# KiCad board smoothiev2-prime.kicad_pcb (continued)
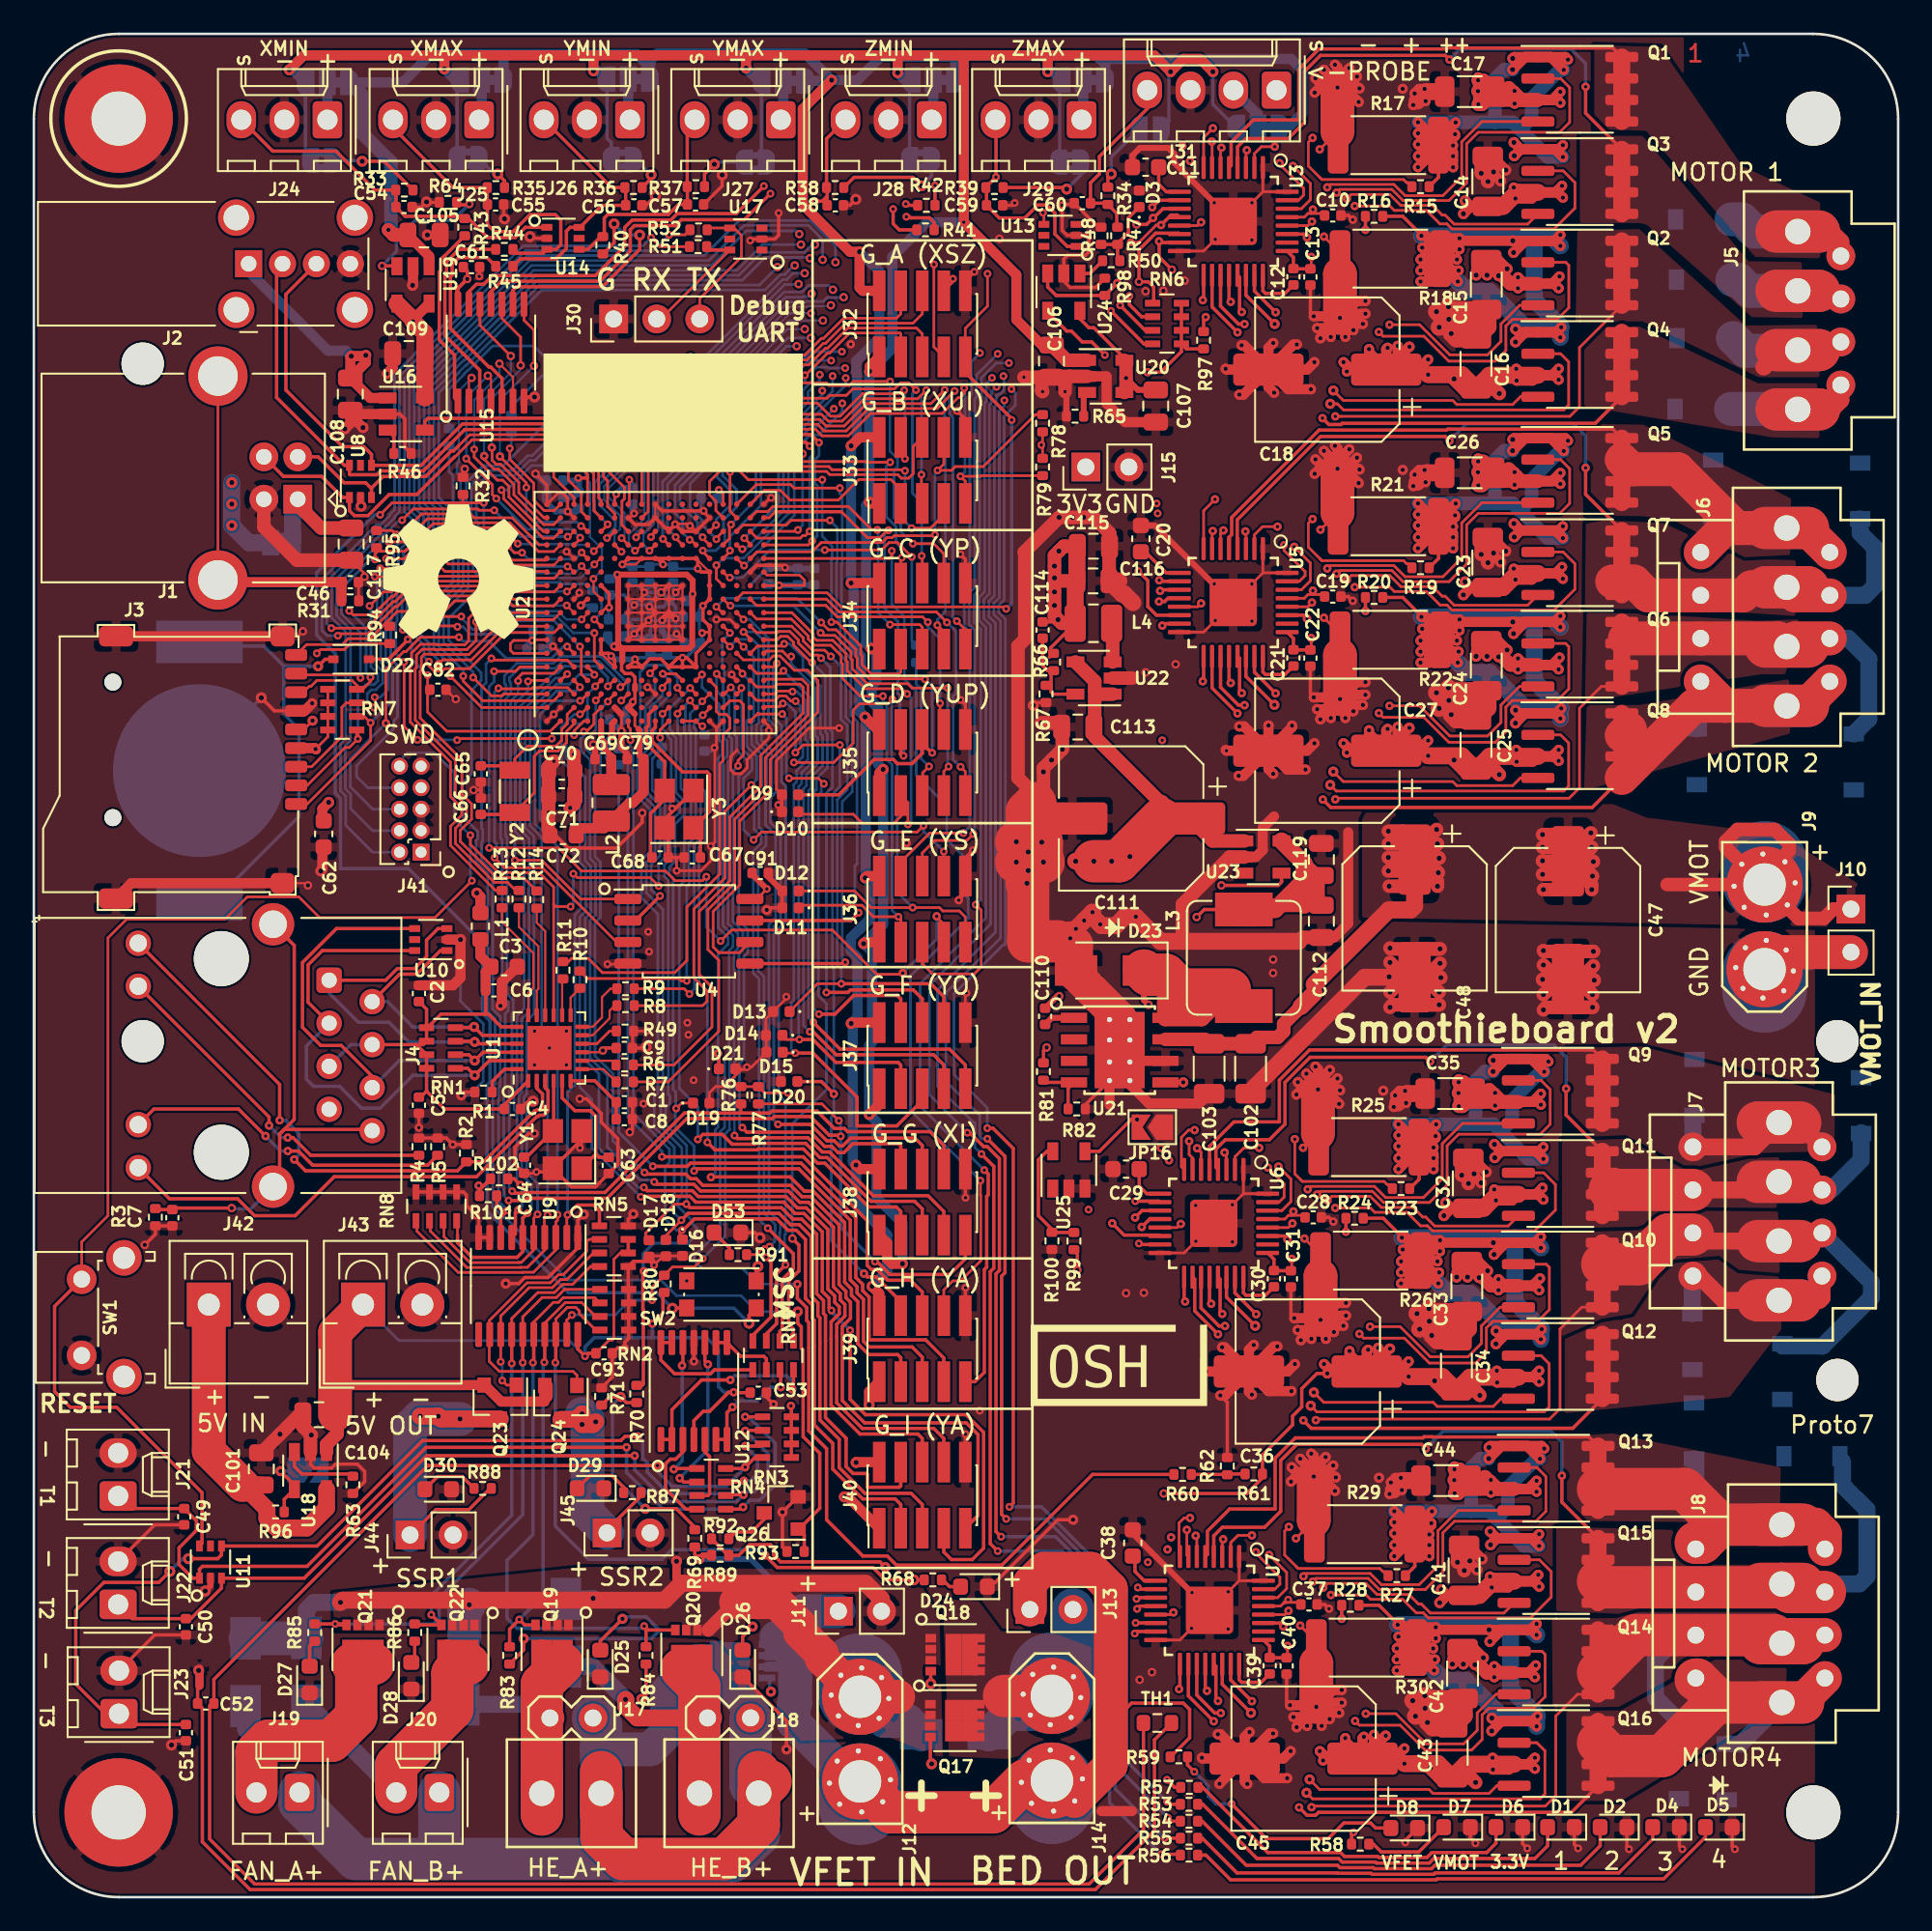
[diagram p0: board, top side]
## Routing (per net, layer and track width the routed paths; a pad name or vN(x,y) marks a point on that pad's centre or on a via; arc(x,y) is an arc through that point) (continued)
/driver-c/COIL_B2: length 46.3
  Top w0.2: v3(70.12,34.43) 69.99,34.56 69.99,36.48 U6.21 ; Q12.5 90.8,27.68 75.37,27.68 v3(74.9,28.15)
  Top w1: Q12.8 Q12.5 ; J7.1 105.51,35.39 105.35,35.23 J7.1 99.72,35.23 98.28,36.67 J7.1
  In1.Cu w0.2: v3(74.9,28.15) 71.42,31.63 70.07,31.63 69.17,32.53 69.17,33.48 v3(70.12,34.43)
  Bottom w1: D36.1 97.86,36.64 J7.1
/driver-d/COIL_A1: length 55.3
  Top w0.2: U7.5 69.24,20.23 69.24,21.61 70.56,22.92 73.24,22.92 73.24,25.92 74.43,27.11 81.96,27.11 82.03,27.18 82.49,27.18 82.51,27.17 91.76,27.17 Q13.8
  Top w1: Q13.8 Q13.5
  Top w2: J8.4 105.68,21.44 105.13,21.99 J8.4
  Top w2.5: 99.5,21.99 97.39,24.09 Q13.6 ; 99.5,21.99 98.43,20.92 98.06,20.92 ; 99.5,21.99 J8.4
  Bottom w1: J8.4 98.06,25.77 D43.1
/driver-d/COIL_A2: length 63.3
  Top w0.2: v3(90.16,24.88) 90.16,23.32 Q15.8 ; U7.4 69.62,21.33 70.13,21.84 72.63,21.84 73.57,22.78 73.57,25.78 74.52,26.73 81.88,26.73 v3(82.13,26.48)
  Top w1: Q15.8 Q15.5
  Top w2.5: Q15.6 92.65,18.29 102.94,18.29 J8.3 103.62,18.01 J8.3
  Bottom w0.2: v3(82.13,26.48) 83.15,27.5 89.52,27.5 90.16,26.86 v3(90.16,24.88)
  Bottom w1: 106.72,25.71 106.72,24.32 108.16,22.88 108.16,18.94 107.71,18.49 J8.3
/driver-d/COIL_B1: length 63.2
  Top w0.16: v3(75.39,5.31) 75.46,5.37 89.18,5.37 89.8,5.99 89.8,10.69 91.08,11.97 Q14.5
  Top w0.2: v3(69.22,12.18) 69.12,12.28 U7.20
  Top w1: Q14.8 Q14.5
  Top w2: J8.2 103.62,15.47 J8.2
  Top w2.5: Q14.6 94.52,15.47 J8.2 102.66,15.47 J8.2
  In1.Cu w0.16: v3(75.39,5.31) 74.91,4.83 74.17,4.83 71.67,7.33 70.57,7.33 68.37,9.53 68.37,11.33 v3(69.22,12.18)
  Bottom w1: J8.2 97.12,15.47 95.68,14.03 95.68,11.77 97.06,10.39 D41.1
/driver-d/COIL_B2: length 56.4
  Top w0.2: v3(69.87,11.58) 69.74,11.71 69.74,13.63 U7.21 ; v3(74.65,5.3) 75.12,4.83 75.62,4.83 75.8,5.01 90.73,5.01 Q16.5
  Top w1: Q16.8 Q16.5
  Top w2: J8.1 104.24,11.49 J8.1
  Top w2.5: 99.5,11.49 98.15,12.84 98.06,12.84 ; 99.5,11.49 J8.1 ; 99.5,11.49 99.25,11.49 96.09,8.33 93.08,8.33 Q16.7
  In1.Cu w0.2: v3(69.87,11.58) 68.92,10.63 68.92,9.68 69.82,8.78 71.17,8.78 v3(74.65,5.3)
  Bottom w1: D40.1 100.69,9.04 J8.1
/ESXMAX: length 16.8
  Top w0.128: U15.4 26.97,89.63 v4(26.79,89.82)
  Top w0.16: v5(27.28,82.57) 27.05,82.8 27.05,83.38 v5(25.51,84.92) ; U2.C14 32.22,80.18 32.22,80.24 v5(32.23,80.25)
  Bottom w0.128: v5(25.51,84.92) 25.51,88.55 v4(26.79,89.82)
  Bottom w0.16: v5(25.51,84.92) 25.51,85 25.6,85.1 ; v5(27.28,82.57) 29.1,80.75 31.73,80.75 v5(32.23,80.25)
/ESXMIN: length 19.6
  Top w0.128: v4(25.83,89.69) 25.67,89.53 U15.2
  Top w0.16: U2.D13 v5(32.32,79.38) ; v5(25.17,80.58) 25.19,80.56 27.39,80.56 28.12,79.84 28.12,79.6 28.35,79.37 v5(28.8,79.37)
  Bottom w0.128: v4(25.83,89.69) 25.07,88.93 25.07,84.73
  Bottom w0.16: v5(25.17,80.58) 25.17,83.89 24.96,84.1 24.96,84.62 25.07,84.73 ; v5(32.32,79.38) 31.93,78.99 29.18,78.99 v5(28.8,79.37)
/ESYMAX: length 18.1
  Top w0.16: v5(32.29,80.94) 32.36,80.94 U2.D15 ; v4(29.51,90.4) 29.51,92.51 28.92,93.1 U15.8 ; v3(27.5,85.05) 29.05,83.5 v5(29.05,83.22)
  Bottom w0.128: v3(27.5,85.05) 27.5,88.39 v4(29.51,90.4)
  Bottom w0.16: v5(29.05,83.22) 29.05,81.68 29.56,81.17 32.06,81.17 v5(32.29,80.94)
/ESYMIN: length 15.1
  Top w0.128: v4(27.47,90.53) 28.27,89.73 U15.6
  Top w0.16: v5(25.98,85.47) 25.98,85.02 27.34,83.65 27.66,83.65 28.03,83.29 28.03,82.66 30.06,80.63 U2.A15
  Bottom w0.128: v5(25.98,85.47) 25.98,88.38 27.47,89.87 v4(27.47,90.53)
/ESZMAX: length 17.2
  Top w0.16: v4(28.14,90.98) 26.32,92.8 U15.12 ; v3(26.57,85.08) 26.57,84.89 27.16,84.3 27.42,84.3 28.32,83.41 28.32,82.8 30.09,81.03 30.67,81.03 U2.B16
  Bottom w0.128: v3(26.57,85.08) 26.57,88.44 28.14,90.01 v4(28.14,90.98)
/ESZMIN: length 15.4
  Top w0.16: v3(27.02,85.58) 27.04,85.56 27.04,84.83 27.28,84.59 27.54,84.59 28.61,83.52 28.61,82.91 30.1,81.43 U2.A16 ; U15.10 27.62,93.2 28.72,92.1 v4(28.72,90.43)
  Bottom w0.128: v3(27.02,85.58) 27.02,88.5 28.72,90.2 v4(28.72,90.43)
/ETH_CRSDV: length 26.6
  Top w0.16: v5(42.33,65.66) 40.77,64.1 40.77,60.16 38.94,58.33 38.94,54.27 39.72,53.49 39.72,52.89 39.46,52.63 R8.2 ; U2.R5 41.81,72.29 v5(41.81,72.23)
  Bottom w0.16: v5(42.33,65.66) 42.66,65.99 42.66,67.33 42.06,67.94 42.06,69.45 42.18,69.58 42.18,71.85 v5(41.81,72.23)
/ETH_MDC: length 24.3
  Top w0.128: v5(38.71,70.65) 38.71,70.59 U2.M2
  Top w0.16: 32.22,54.67 32.67,54.23 38.07,54.23 38.2,54.1 v5(38.52,54.1)
  Bottom w0.16: v5(38.52,54.1) 38.52,59.67 38.66,59.81 38.66,62.24 39.05,62.64 39.05,65 38.47,65.58 38.47,68.69 38.39,68.77 38.39,69.52 38.44,69.57 38.44,70.37 v5(38.71,70.65)
/ETH_MDIO: length 22.2
  Top w0.128: U2.N3 v5(39.44,70.6)
  Top w0.16: R9.2 38.37,53.63 v5(38.68,53.32)
  Bottom w0.16: v5(39.44,70.6) 38.73,69.89 38.73,69.45 38.68,69.4 38.68,68.89 38.76,68.81 38.76,65.7 39.34,65.12 39.34,62.52 38.95,62.12 38.95,59.43 38.96,59.42 38.96,53.6 v5(38.68,53.32)
/ETH_RFCLK: length 26.4
  Top w0.16: R11.2 31.54,55.23 31.73,55.42 32.71,55.42 33.55,54.58 37.81,54.58 38.53,55.3 38.53,58.46 40.47,60.4 40.47,66.91 40.66,67.09 40.66,68.59 41.07,69 41.07,69.61 40.85,69.83 40.44,69.83 40.27,70 40.27,71.43 U2.N4
/ETH_RXD0: length 31.9
  Top w0.16: R6.2 37.77,49.13 40.01,51.37 40.01,53.72 39.26,54.47 39.26,58.19 41.06,59.99 41.06,63.76 42.87,65.57 42.87,67.38 45.39,69.9 45.39,71.42 45.2,71.61 43.86,71.61 43.7,71.45 42.65,71.45 U2.T4
/ETH_RXD1: length 32.2
  Top w0.16: U2.U4 43.14,71.9 45.32,71.9 45.68,71.54 45.68,69.78 43.16,67.26 43.16,65.45 41.35,63.64 41.35,59.87 39.77,58.29 39.77,55.95 40.41,55.31 40.41,51.11 37.43,48.13 R7.2
/ETH_TXD0: length 29.8
  Top w0.128: v5(32.32,75.43) 32.67,75.78 U2.D9
  Top w0.16: R12.2 28.43,59.43 27.95,59.91 27.17,59.91 24.87,62.21 24.87,63.1 25.54,63.76 25.54,64.42 24.87,65.09 24.87,67.12 22.5,69.49 22.5,72.51 22.57,72.59 22.57,73.33 22.92,73.67 23.64,73.67 23.66,73.65 25.55,73.65 26.09,74.19 v5(26.09,75.29)
  Bottom w0.128: v5(26.09,75.29) 27.25,75.29 27.88,75.92 30.93,75.92 31.42,75.43 v5(32.32,75.43)
/ETH_TXD1: length 29.4
  Top w0.128: U2.C9 v5(31.45,76.25)
  Top w0.16: v5(25.92,76.09) 25.92,75.76 25.65,75.49 25.65,74.16 25.43,73.94 23.78,73.94 23.76,73.96 22.8,73.96 22.28,73.45 22.28,72.71 22.21,72.63 22.21,69.37 24.58,67 24.58,64.97 25.25,64.3 25.25,63.88 24.58,63.22 24.58,62.09 27.24,59.43 R13.2
  Bottom w0.128: v5(25.92,76.09) 25.92,76.05 26.34,75.63 26.75,75.63 27.37,76.25 v5(31.45,76.25)
/ETH_TXEN: length 27.5
  Top w0.128: U2.B9 30.71,75.47
  Top w0.16: R14.2 28.88,60.19 28.08,60.19 28.07,60.2 27.29,60.2 25.16,62.33 25.16,62.98 25.83,63.64 25.83,64.54 25.26,65.11 25.26,67.15 22.79,69.61 22.79,72.35 22.86,72.43 22.86,73.21 23.04,73.38 23.46,73.38 23.48,73.36 25.67,73.36 27.73,75.42 30.66,75.42 30.71,75.47
/ethernet/ETH_REFGND: length 29.7
  Top w0.2: v4(11.67,40.68) 8.26,40.68 C7.1 7.23,40.59 R3.1 ; J4.SH 15.36,56.19 15.36,45.91 14.5,45.05 ; 14.5,45.05 14.5,42.34 14.11,41.95 ; 14.5,45.05 14.77,45.32 19.89,45.32 J4.8
  Bottom w0.2: v4(11.67,40.68) 11.72,40.63 12.8,40.63 14.11,41.95
/ethernet/LED1: length 29.8
  Top w0.2: J4.12 8,41.23 12.02,41.23 13.02,40.23 15.42,40.23 17.72,42.53 26.12,42.53 29.69,46.1 29.77,46.1 29.84,46.16 30.07,46.16 30.34,46.43 30.34,47.61 30.17,47.78 U1.3
/ethernet/LED2: length 35.2
  Top w0.2: U1.2 29.67,47.75 30.01,47.41 30.01,46.56 29.94,46.49 29.7,46.49 29.64,46.43 29.55,46.43 26.53,43.41 R2.1 24.99,42.88 16.03,42.88 v3(15.36,43.55) ; v3(14.5,45.86) 14.5,47.97 J4.9
  Bottom w0.2: v3(15.36,43.55) 15.62,43.8 15.62,45.1 14.85,45.86 v3(14.5,45.86)
/ethernet/TXD0: length 6.9
  Top w0.128: R12.1 28.62,57.28 29.77,56.13 29.77,53.63 29.67,53.53 U1.17
/ethernet/TXD1: length 7.2
  Top w0.128: R13.1 27.62,57.58 29.47,55.73 29.47,53.69 29.17,53.39 U1.18
/ethernet/TXEN: length 6.5
  Top w0.128: U1.16 30.17,57.03 29.67,57.53 R14.1
/expansion/GB_4: length 38
  Top w0.16: v5(51.4,84.91) 51.15,85.16 J33.4 ; v5(35.74,90.41) 36.35,89.8 41.04,89.8 42.64,88.2 46.23,88.2 47,87.43 47.57,87.43 48.89,88.75 51.14,88.75 v5(51.35,88.96)
  Bottom w0.16: R74.2 24.5,89 25.37,89.88 25.37,89.91 25.61,90.15 25.64,90.15 27.06,91.57 29.5,91.57 30.43,90.64 35.51,90.64 v5(35.74,90.41) ; v5(51.35,88.96) 51.4,88.91 v5(51.4,84.91)
/expansion/GB_5: length 34.4
  Top w0.16: J33.5 52.37,82.33 v5(52.37,83.98) ; v5(35.3,89.82) 35.63,89.49 40.94,89.49 42.52,87.91 42.65,87.91 43.02,87.54 46.47,87.54 46.87,87.14 47.69,87.14 49.01,88.46 52.15,88.46 v5(52.65,88.96)
  Bottom w0.16: v5(52.65,88.96) 52.37,88.68 v5(52.37,83.98) ; R75.2 28.17,88 29.99,89.82 v5(35.3,89.82)
/expansion/GD_4: length 2.8
  Top w0.2: 51.11,67.49 51.15,67.53 J35.4
  Bottom w0.2: R72.2 51.31,68.49 v5(51.31,67.38)
/expansion/GD_5: length 8.3
  Top w0.16: J35.5 52.45,65.06 52.45,66.38 v5(52.82,66.75)
  Bottom w0.16: v5(52.82,66.75) 52.35,67.22 52.35,71.32 52.07,71.61 52.07,72.91
/EXTRAFET: length 81.1
  Top w0.16: U2.C11 31.52,77.08 v5(31.46,77.08)
  Top w0.2: v1(45.07,34.57) 45.07,33.88 45.28,33.67 45.28,32.41 45.39,32.3 45.39,27.18 46.37,26.2 46.37,22.95 45.14,21.73 Q26.1 45.45,21.37 R93.2
  Bottom w0.16: v5(31.46,77.08) 26.04,77.08 24.47,75.51 24.47,74.21 26.39,72.29 26.39,71.82 25.82,71.25 25.82,66.3 25.29,65.77 25.29,63.8 26.2,62.9 26.2,62.48 26.1,62.38 26.1,61.1 26.78,60.42 26.78,52.31 27.22,51.87 27.22,47.99 27.08,47.85 27.08,40.76 27.74,40.1 27.84,40.1 31.51,36.43 37,36.43 37.93,35.5 41.72,35.5 42.66,34.57 v1(45.07,34.57)
/FANA_FET: length 43.9
  Top w0.16: v5(29.72,40.31) 29.49,40.09 U9.5 29.49,38.2 28.76,37.47 28.6,37.47 28.59,37.46 25.74,37.46 24.2,39 24.2,39.93 ; U2.B4 31.45,72.2 v5(31.47,72.2)
  Bottom w0.16: v5(31.47,72.2) 31.23,71.97 30.78,71.97 28.99,70.18 28.99,63.13 29.51,62.61 29.51,52.15 29.08,51.72 29.08,47.41 28.92,47.25 28.92,46.73 29.08,46.57 29.08,42.76 29.72,42.12 v5(29.72,40.31)
/FANB_FET: length 46.3
  Top w0.16: 25,39.11 25,39.93 ; U2.F4 34.22,71.83 v5(33.87,71.48)
  Top w0.2: v5(29.13,40.38) 28.85,40.09 U9.6 28.85,38.11 28.51,37.77 25.86,37.77 25,38.64 25,39.11
  Bottom w0.16: v5(33.87,71.48) 33.87,72.01 33.21,72.67 31.31,72.67 30.9,72.26 30.66,72.26 28.7,70.3 28.7,63.01 29.22,62.49 29.22,52.27 28.79,51.84 28.79,47.53 28.63,47.37 28.63,46.61 28.79,46.45 28.79,42.64 29.36,42.07 29.36,40.61 v5(29.13,40.38)
/FETSENSE: length 47.2
  Top w0.16: U2.K4 37.09,71.45 v5(37.09,71.39)
  Top w0.2: v3(35.99,36.95) 35.93,36.89 35.93,34.71 35.96,34.68 35.96,30.28 35.89,30.22 R70.1
  Bottom w0.16: 39.1,39.5 38.87,39.73 38.87,39.92 37.99,40.8 37.99,41.15 38.23,41.39 38.23,44.24 36.99,45.48 36.99,47 37.12,47.13 37.12,58.31 36.14,59.29 36.14,61.09 36.65,61.6 36.65,64.35 35.92,65.08 35.92,67.46 36.22,67.76 36.22,68.79 36.36,68.93 36.36,70.22 37.09,70.94 v5(37.09,71.39)
  Bottom w0.2: 39.1,39.5 39.1,39.13 38.57,38.61 36.57,38.61 35.95,37.98 35.95,37 v3(35.99,36.95)
/HOTEND_A_FET: length 46.5
  Top w0.16: v5(32.22,71.43) 32.22,71.48 U2.C4 ; v5(30.9,40.29) 30.9,39.96 30.8,39.86 U9.3 30.8,38.2 29.48,36.89 28.84,36.89 28.83,36.88 25.03,36.88 22.59,39.32 22.59,39.93
  Bottom w0.16: v5(30.9,40.29) 30.9,62.04 29.57,63.37 29.57,69.94 30.83,71.2 31.99,71.2 v5(32.22,71.43)
/HOTEND_B_FET: length 46.4
  Top w0.16: 23.39,39.93 23.39,39.32 25.54,37.17 28.71,37.17 28.72,37.18 29.12,37.18 30.14,38.2 U9.4 ; v5(30.31,40.27) 30.12,40.08 30.12,38.94 ; U2.D5 33.07,72.23 v5(33.07,72.17)
  Bottom w0.16: v5(30.31,40.27) 30.31,49.01 29.96,49.36 29.96,50.87 30,50.91 30,51.35 29.96,51.39 29.96,62.57 29.28,63.25 29.28,70.06 30.84,71.62 31.61,71.62 32.16,72.17 v5(33.07,72.17)
/I2C2_SCL: length 85.7
  Top w0.16: v5(47.49,45.84) 46.5,46.83 R77.1 ; U2.G3 34.68,70.64 v5(34.66,70.64)
  Top w0.2: v5(49.63,37.52) 49.75,37.52 50.51,36.76 54.04,36.76 54.96,37.68 J38.9 ; v5(47.61,44.92) 47.54,44.98 46.93,44.98 45.83,46.08 43.69,46.08 43.57,45.96 38.52,45.96 33.82,41.26 29.11,41.26 28.98,41.13 v5(28.01,41.13)
  Bottom w0.16: v5(47.49,45.84) 47.61,45.72 v5(47.61,44.92) ; v5(28.01,41.13) 27.72,41.42 27.72,47.67 27.8,47.75 27.8,49.75 27.81,49.76 27.81,52.16 27.99,52.34 27.99,52.84 27.63,53.2 27.63,62.44 27.54,62.53 27.54,70.87 27.85,71.18 27.85,71.58 27.77,71.66 27.77,72.11 28.5,72.84 30.66,72.84 31.07,73.25 33.46,73.25 35.07,71.64 35.07,71.06 v5(34.66,70.64)
  Bottom w0.2: v5(49.63,37.52) 47.61,39.54 v5(47.61,44.92)
/I2C2_SDA: length 69.5
  Top w0.16: U2.G4 34.82,71.58 34.76,71.58 v5(34.61,71.43) ; R76.1 41.72,46.3 41.73,46.29
  Top w0.2: J38.8 53.69,44.38 52.88,45.19 48.02,45.19 47.83,45.38 47.24,45.38 46.2,46.41 43.55,46.41 43.43,46.29 38.39,46.29 33.7,41.6 28.99,41.6 28.94,41.56 28.34,41.56 v5(28.22,41.68)
  Bottom w0.16: v5(28.22,41.68) 28.05,41.85 28.05,47.61 28.21,47.77 28.21,52.15 28.28,52.22 28.28,52.96 27.92,53.32 27.92,62.56 27.83,62.65 27.83,70.72 28.14,71.04 28.14,71.7 28.06,71.78 28.06,71.99 28.62,72.55 30.78,72.55 31.19,72.96 33.34,72.96 34.61,71.69 v5(34.61,71.43)
/I2C3_SCL: length 41.5
  Top w0.16: v5(54.89,89.09) 54.89,88.77 54.64,88.52 54.54,88.52 53.6,87.59 49.37,87.59 48.05,86.27 46.51,86.27 46.12,86.66 42.67,86.66 42.29,87.04 42.16,87.04 41.5,87.7 36.02,87.7 v5(35.25,86.92) ; U2.E15 33.86,81.02 v5(33.86,81.04) ; R79.1 55.91,83.92 55.87,83.88 v5(54.67,83.88) 54.96,83.59 J33.9
  Bottom w0.16: v5(54.67,83.88) 54.93,84.14 54.93,89.05 v5(54.89,89.09) ; v5(35.25,86.92) 35.25,85.68 33.08,83.52 33.08,81.82 v5(33.86,81.04)
/I2C3_SDA: length 25
  Top w0.16: U2.T13 42.66,79.42 45.91,79.42 46.46,79.97 50.05,79.97 50.34,80.26 50.65,80.26 50.76,80.37 53.11,80.37 v5(53.17,80.43) ; R78.1 59.09,87.53 56.02,84.45 54.37,84.45 54.14,84.23 v5(53.32,84.23) 53.69,84.6 J33.8
  Bottom w0.16: v5(53.32,84.23) 53.17,84.08 v5(53.17,80.43)
/ILED1: length 117.1
  Top w0.16: U2.R13 41.89,78.61 v5(41.9,78.61)
  Top w0.2: v5(56.25,45.4) 56.59,45.4 57.79,44.2 57.79,23.27 v5(57.56,23.04) ; v5(66.87,5.63) 67.02,5.48 R53.1
  In2.Cu w0.16: v5(57.68,89.03) 57.91,88.8 57.91,88.38 57.46,87.92 57.05,87.92 56.79,88.19 v5(47.7,88.19)
  Bottom w0.16: v5(56.25,45.4) 56.25,46.6 54.3,48.56 54.3,53.33 57.19,56.23 57.32,56.23 57.32,75.45 56.93,75.84 56.93,76.27 57.25,76.59 57.25,87.42 57.91,88.07 57.91,88.8 v5(57.68,89.03) ; v5(41.9,78.61) 44.87,81.58 44.87,85.38 45.33,85.84 45.33,85.88 45.56,86.1 45.59,86.1 45.82,86.33 46.31,86.33 47.7,87.72 v5(47.7,88.19)
  Bottom w0.2: v5(57.56,23.04) 59.46,23.04 64.47,18.03 64.47,8.03 v5(66.87,5.63)
/ILED2: length 116.7
  Top w0.16: v5(41.07,79.49) 41.07,79.43 U2.P13
  Top w0.2: v5(56.26,44.77) 57.3,43.73 57.3,36.86 57.1,36.66 57.1,22.6 v5(57.37,22.33) ; v5(66.91,4.69) 67.12,4.48 R54.1
  In2.Cu w0.16: v5(46.52,88.93) 46.83,88.63 47.91,88.63 48.06,88.48 57.15,88.48 v5(57.26,88.36)
  Bottom w0.16: v5(57.26,88.36) 57.26,88.04 56.96,87.74 56.96,76.71 56.64,76.39 56.64,75.72 57.03,75.33 57.03,56.62 53.82,53.41 53.82,48.16 55.81,46.16 55.81,44.89 55.93,44.77 v5(56.26,44.77) ; v5(46.52,88.93) 46.52,88.7 42.9,85.08 42.9,82.16 41.07,80.33 v5(41.07,79.49)
  Bottom w0.2: v5(66.91,4.69) 64.13,7.47 64.13,17.9 59.7,22.33 v5(57.37,22.33)
/ILED3: length 120.6
  Top w0.16: U2.P14 41.04,80.2 41.04,80.94 v5(41.13,81.03)
  Top w0.2: v5(55.08,45.13) 55.22,45.13 56.04,44.31 56.25,44.31 56.97,43.59 56.97,37 56.77,36.8 56.77,21.58 v5(57.07,21.28) ; R55.1 v5(66.72,3.48)
  In2.Cu w0.16: v5(46.37,89.88) 47.34,88.92 49.33,88.92 50.33,89.92 50.76,89.92 51.14,89.53 56.05,89.53 56.41,89.17 v5(56.8,89.17)
  Bottom w0.16: v5(55.08,45.13) 52.85,47.37 52.85,53.83 56.45,57.44 56.45,75.09 56.06,75.48 56.06,76.63 56.38,76.95 56.38,88.09 56.49,88.19 56.49,88.85 v5(56.8,89.17) ; v5(41.13,81.03) 42.61,82.5 42.61,85.2 45.67,88.27 45.67,88.86 46.37,89.56 v5(46.37,89.88)
  Bottom w0.2: v5(57.07,21.28) 60.29,21.28 63.8,17.77 63.8,6.4 v5(66.72,3.48)
/ILED4: length 121.6
  Top w0.16: U2.R14 41.72,79.58 v5(41.8,79.58)
  Top w0.2: v5(66.52,2.53) 67.6,2.53 R56.1 ; v5(55.91,43.87) 56.64,43.14 56.64,37.13 56.43,36.92 56.43,20.87 v5(56.87,20.43)
  In2.Cu w0.16: v5(57.21,89.8) 56.86,90.14 51.66,90.14 51.19,90.61 49.07,90.61 48.14,89.68 v5(47.9,89.68)
  Bottom w0.16: v5(47.9,89.68) 47.9,89.27 44.23,85.59 44.23,81.85 41.96,79.58 v5(41.8,79.58) ; v5(55.91,43.87) 55.52,44.26 55.52,45.73 55.45,45.73 53.32,47.86 53.32,53.56 56.74,56.98 56.74,75.21 56.35,75.6 56.35,76.51 56.67,76.83 56.67,87.97 56.78,88.07 56.78,88.62 56.88,88.73 57.01,88.73 57.24,88.96 57.24,89.76 v5(57.21,89.8)
  Bottom w0.2: v5(56.87,20.43) 60.67,20.43 63.47,17.63 63.47,5.58 v5(66.52,2.53)
/MCU_DEBUG_RX: length 53.9
  Top w0.16: v5(17.94,74.47) 18.05,74.59 19.71,74.59 21.32,76.19 21.44,76.19 22.8,77.55 23.07,77.55 23.07,77.55 23.23,77.55 23.38,77.4 27.92,77.4 28.26,77.06 30.7,77.06 U2.B11 ; v5(36.42,97.97) 36.95,97.44 R51.1
  Bottom w0.16: v5(36.42,97.97) 35.94,97.49 28.88,97.49 24.44,93.05 24.4,93.05 22.47,91.11 22.47,91.08 21.28,89.9 21.28,81.91 20.99,81.62 20.99,81.55 20.47,81.03 20.22,81.03 16.99,77.8 16.99,74.78 17.3,74.47 v5(17.94,74.47)
/MCU_DEBUG_TX: length 51.7
  Top w0.16: R52.1 38.42,98.14 v5(37.49,98.14) ; U2.A11 28.3,77.43 28.04,77.69 23.5,77.69 23.35,77.84 23.19,77.84 23.19,77.84 22.68,77.84 21.32,76.48 21.2,76.48 19.64,74.92 v5(17.55,74.92)
  Bottom w0.16: v5(37.49,98.14) 36.55,97.2 29,97.2 24.56,92.76 24.52,92.76 22.76,90.99 22.76,90.96 21.57,89.78 21.57,81.79 21.28,81.5 21.28,81.43 20.59,80.74 20.34,80.74 17.28,77.68 17.28,75.18 v5(17.55,74.92)
/MCU_RESET: length 111.1
  Top w0.16: U2.K1 36.95,68.91 v5(36.95,68.45) ; 30.67,58.61 30.8,58.48 v5(31.67,58.48) ; 30.67,58.61 30.67,59.63 29.82,60.48 28.2,60.48 28.19,60.49 27.41,60.49 25.76,62.15 v5(25.76,62.69) ; 30.67,58.61 U1.15 ; v5(36.87,59.69) 36.37,60.19 32.06,60.19 v5(31.83,60.42) ; v5(25.84,60) 23.67,57.83 16.86,57.83 15.64,59.05 12.59,59.05 11.27,57.73 5.47,57.73 4.37,56.63 4.37,40.23 2.82,38.68 SW1.2
  Top w0.2: U11.6 9.92,20.88 9.92,23.88 4.88,28.92 2.15,28.92 1.22,29.85 1.22,34.88 SW1.2
  Bottom w0.16: v5(31.67,58.48) 31.83,58.64 v5(31.83,60.42) ; C81.1 37.05,68.36 v5(36.95,68.45) 36.95,67.67 36.5,67.21 36.5,65.34 37.23,64.61 37.23,61.36 36.87,61 v5(36.87,59.69) ; J41.10 21.58,67.09 22.05,67.56 23.64,67.56 24.81,66.38 24.81,63.64 v5(25.76,62.69) 25.76,60.09 v5(25.84,60)
/mosfets/BED_GATE: length 53
  Top w0.16: RN2.8 33.14,33.48 32.19,34.44 32.19,34.6 31.98,34.81 31.47,34.81 30.8,34.13 U9.18
  Top w0.2: 52.61,18.73 v2(51.92,18.73) 50.24,18.73 49.51,19.46 43.86,19.46 v3(43.14,20.18) ; v5(30.77,31.56) 30.8,31.58 U9.18 ; v2(52.97,7.87) 52.89,7.94 Q17.4 ; v2(52.92,12.6) Q18.4
  In2.Cu w0.2: v2(51.92,18.73) 51.92,13.61 v2(52.92,12.6) 52.92,7.92 v2(52.97,7.87)
  Bottom w0.2: v3(43.14,20.18) 42.82,20.5 37.62,20.5 37.07,19.96 32.72,19.96 30.77,21.91 v5(30.77,31.56)
/mosfets/CUTOFF_GATE: length 2.9
  Top w0.2: 41.01,21.16 41.41,21.56 42.35,21.56 43.1,22.31 Q26.3
/mosfets/FAN2_GATE: length 28.4
  Top w0.16: U9.14 28.2,34.16 29.73,35.69 30.71,35.69 31.19,36.17 31.79,36.17 32.85,37.23 RN5.8
  Top w0.2: U9.14 v5(28.2,31.5) ; v5(23.45,16.67) 23.45,16.67 Q22.4 22.53,16.07 R86.2
  Bottom w0.2: v5(28.2,31.5) 28.2,22.56 23.45,17.81 v5(23.45,16.67)
/mosfets/FAN_GATE: length 34
  Top w0.16: 28.87,33.24 U9.15 28.85,34.25 29.99,35.4 30.83,35.4 31.31,35.88 RN2.5
  Top w0.2: U9.15 v5(28.85,31.56) ; v5(17.78,16.13) 17.84,16.07 Q21.4 18.39,16.13 R85.2
  Bottom w0.2: v5(28.85,31.56) 28.85,22.58 23.91,17.64 23.91,16.45 23.59,16.13 v5(17.78,16.13)
/mosfets/HEA_GATE: length 25.2
  Top w0.16: 30.12,33.22 30.12,33.87 31.35,35.1 32.33,35.1 33.14,34.28 RN2.7
  Top w0.2: v5(30.12,31.58) 30.14,31.61 30.14,33.19 30.12,33.22 ; R83.2 28.07,15.82 v5(28.64,16.39) 28.96,16.07 Q19.4
  Bottom w0.2: v5(28.64,16.39) 30.04,17.79 30.04,31.5 v5(30.12,31.58)
/mosfets/HEB_GATE: length 34.4
  Top w0.16: RN2.6 33.09,35.39 31.23,35.39 30.95,35.11 30.65,35.11 29.49,33.95 U9.16
  Top w0.2: Q20.4 36.24,15.77 v5(36.01,16) 36.12,15.89 R84.2 ; U9.16 29.49,31.61 v5(29.45,31.56)
  Bottom w0.2: v5(29.45,31.56) 29.45,21.41 27.92,19.89 27.92,16.45 28.5,15.87 35.88,15.87 v5(36.01,16)
/mosfets/SSR1_G: length 12.2
  Top w0.16: Q23.1 27.9,30.23 v5(27.64,30.5) ; v5(27.55,31.61) 27.55,34.31 29.22,35.98 30.59,35.98 31.07,36.46 31.45,36.46 33.02,38.03 RN5.7
  Bottom w0.16: v5(27.64,30.5) 27.64,31.51 v5(27.55,31.61)
/mosfets/SSR2_G: length 17.3
  Top w0.16: Q24.1 32.05,30.81 31.82,31.04 27.46,31.04 26.87,31.63 26.87,34.04 29.1,36.27 30.47,36.27 30.95,36.75 31.24,36.75 32.63,38.14 32.63,38.7 32.76,38.83 RN5.6
/mosfets/SW_BED: length 13.1
  Top w2.5: J14.2 57.24,11.88
  Bottom w2: J14.2 59,10.81 57.55,10.81 D49.1
  Bottom w2.5: J13.2 61.31,13.12 J14.2
/mosfets/VFET: length 77.7
  Top w0.2: 38.99,20.82 38.99,20.23 v1(39.27,19.95) ; J14.1 62.87,6.88 64.32,8.33 64.32,11 64.77,11.46 67.82,11.46 68.2,11.08 68.2,9.41 67.07,8.28 R59.1
  Top w0.35: R89.2 39.5,20.18 v1(39.27,19.95)
  Top w2: J13.1 58.77,18.56 59.6,19.38 62.39,19.38 63.55,18.23 63.55,7.81 J14.1
  Top w2.5: J14.1 58.47,6.88 56.6,5 50.57,5 J12.1
  Bottom w0.35: 45.37,16.88 42.3,19.95 v1(39.27,19.95)
  Bottom w0.6: Q25.2 44.89,14.26 45.11,14.04 44.68,13.6 Q25.3 ; Q25.1 43.41,14.92 43.82,15.33
  Bottom w2: 44.92,14.23 44.92,12.82 44.92,11.44 44.82,11.34 44.82,10.33 48.07,7.08 J12.1 ; 44.82,14.53 44.62,14.53 43.82,15.33 ; 44.82,14.43 44.82,16.33 45.37,16.88 J11.1
/MOT_EN: length 159
  Top w0.16: U2.D16 32.3,81.8 32.3,82.9 31.53,83.67 v5(31.53,84.5)
  Top w0.2: v4(67.14,96.08) 66.39,96.83 v3(66.39,97.75) 66.47,97.68 U3.15 ; U5.15 66.7,75.18 v3(66.58,75.06) ; U7.15 65.08,15.68 v5(64.96,15.56) ; v5(65.2,38.59) 65.26,38.53 U6.15
  In2.Cu w0.2: 67.74,38.06 66.84,38.06 66.31,38.59 v5(65.2,38.59) ; 67.74,38.06 69.19,38.06 72.73,34.52 72.73,30.14 72.76,30.11 72.76,23.22 71.36,21.82 71.36,19.83 67.09,15.56 v5(64.96,15.56) ; 67.74,38.06 67.74,38.82 71.29,42.37 71.29,42.7 71.82,43.23 71.82,44.65 73.31,46.14 73.31,49.25 74.13,50.07 74.13,66.61 73.04,67.69 73.04,68.19 72.32,68.91 72.32,69.42 72.6,69.7 72.6,71.53 69.07,75.06 v3(66.58,75.06) 66.58,75.42 70.19,79.03 71.23,79.03 72.53,80.33 72.53,81.45 72.65,81.57 72.65,89.37 72.6,89.42 72.6,94.03 70.03,96.6 69.23,96.6 68.08,97.75 v3(66.39,97.75) ; v4(45.48,95.87) 45.64,96.03 47.65,96.03 47.76,95.92 48.42,95.92 48.5,95.85 52.5,95.85 52.91,95.44 53.68,95.44 54.07,95.05 62.53,95.05 63.74,96.26 66.96,96.26 v4(67.14,96.08)
  Bottom w0.16: v5(31.53,84.5) 31.53,85.06 35.17,88.7 35.85,88.7 36.97,89.82 38.47,89.82 43.25,94.59 43.27,94.59 44.18,95.5 44.42,95.5 44.79,95.87 v4(45.48,95.87)
/MOTSPI_CIPO: length 196.5
  Top w0.16: v5(24.97,68.31) 25.06,68.4 v5(30.56,68.4) ; U2.D1 32.45,69.43 31.88,68.86 v5(31.88,68.6) ; J32.8 54.23,95.37 v5(54.23,95.54) ; v5(21.84,72.92) 21.84,69.11 v5(22.64,68.32)
  Top w0.2: U7.10 65.24,18.18 v5(65.14,18.28) ; v5(64.99,41.09) 66.38,41.09 U6.10 ; v3(65.99,99.76) 66.41,100.18 U3.10 ; U5.10 66.46,77.68 v3(66.4,77.74)
  In2.Cu w0.16: 54.21,95.38 54.21,95.52 v5(54.23,95.54) ; v5(31.88,68.6) 31.67,68.4 v5(30.56,68.4)
  In2.Cu w0.2: 71.62,82.83 71.61,82.82 ; 71.62,82.83 71.62,82.81 70.67,81.85 70.67,80.48 70.25,80.06 68.84,80.06 66.52,77.74 v3(66.4,77.74) 64.99,76.33 64.99,75.04 66.36,73.67 68.26,73.67 70.13,71.8 70.13,69.66 70.23,69.56 70.23,69.12 72.04,67.31 72.04,64.79 72.53,64.3 72.53,55.94 72.18,55.59 72.18,46.7 70.74,45.26 70.74,43.57 69.46,42.29 68.32,42.29 67.12,41.09 v5(64.99,41.09) 64.44,40.54 64.44,39.41 64,38.97 64,38.1 64.69,37.41 66.09,37.41 67.2,36.3 67.2,34.23 70.98,30.45 70.98,28.96 71.34,28.6 71.34,24.26 70.22,23.14 70.22,21.85 66.65,18.28 v5(65.14,18.28) ; 71.62,82.83 71.66,82.87 71.66,88.96 71.61,89.01 71.61,90.24 69.82,92.03 69.82,94.61 67.84,96.59 63.61,96.59 62.4,95.38 54.39,95.38 v5(54.23,95.54) 54,95.77 53.05,95.77 52.64,96.18 48.63,96.18 48.56,96.25 47.9,96.25 47.64,96.51 v4(47.3,96.51) ; v3(65.99,99.76) 65.64,99.76 65.56,99.68 65.56,98.56 65.25,98.26 65.25,96.76 65.14,96.66
  Bottom w0.16: v4(47.3,96.51) 47.3,97.5 45.81,98.99 41.63,98.99 39.55,96.91 29.12,96.91 24.68,92.47 24.64,92.47 23.05,90.87 23.05,90.84 21.86,89.66 21.86,81.79 22.41,81.24 22.41,80.38 21.52,79.48 21.52,78.05 21.42,77.96 21.42,75.33 21.34,75.24 21.34,73.42 v5(21.84,72.92) ; v5(22.64,68.32) 24.95,68.32 v5(24.97,68.31)
/MOTSPI_COPI: length 201.7
  Top w0.16: v5(25.21,75.6) 22.56,75.6 v5(21.78,74.82) ; v5(33.07,74.63) 33.07,73.03 U2.E5 ; J32.7 53.1,91.52 53.1,96.38 v5(53.11,96.39)
  Top w0.2: U6.11 65.39,40.53 v3(64.98,40.12) ; U7.11 65.14,17.68 v5(65.06,17.61) ; U3.11 66.62,99.68 66.07,99.13 v3(66.04,99.13) 65.66,98.75 v4(65.07,98.75) ; U5.11 66.52,77.18 v3(66.45,77.11)
  In2.Cu w0.2: v4(65.07,98.75) 64.71,98.75 62.35,96.39 55.74,96.39 55.42,96.71 53.18,96.71 ; 53.18,96.71 52.99,96.51 48.77,96.51 48.69,96.58 48.04,96.58 47.63,96.99 46.87,96.99 v4(46.54,96.66) ; 53.18,96.71 53.18,96.46 v5(53.11,96.39) ; v3(66.04,99.13) 66,99.1 66,98.54 65.58,98.12 65.58,97.1 65.76,96.92 67.98,96.92 69.01,95.89 69.76,95.89 71.94,93.71 71.94,89.14 71.99,89.09 71.99,82.6 71.95,82.56 ; v5(65.06,17.61) 66.64,17.61 69.58,20.55 70.48,20.55 70.7,20.77 70.7,23.15 71.67,24.12 71.67,28.74 71.31,29.1 71.31,30.74 70.79,31.26 70.79,34.56 68,37.35 66.62,37.35 66.23,37.74 64.82,37.74 64.33,38.23 64.33,38.84 64.89,39.4 64.89,40.03 v3(64.98,40.12) 66.61,40.12 68.45,41.96 69.59,41.96 71.07,43.44 71.07,45.13 72.51,46.57 72.51,55.46 72.86,55.81 72.86,64.43 72.37,64.92 72.37,67.73 71.66,68.44 71.66,69.7 71.94,69.98 71.94,71.21 69.15,74 66.5,74 65.32,75.18 65.32,76.13 66.3,77.11 v3(66.45,77.11) 69.07,79.73 70.4,79.73 71,80.32 71,81.61 71.95,82.56 ; 71.95,82.56 71.94,82.55